# KiCad board DFTBoard.kicad_pcb (continued)
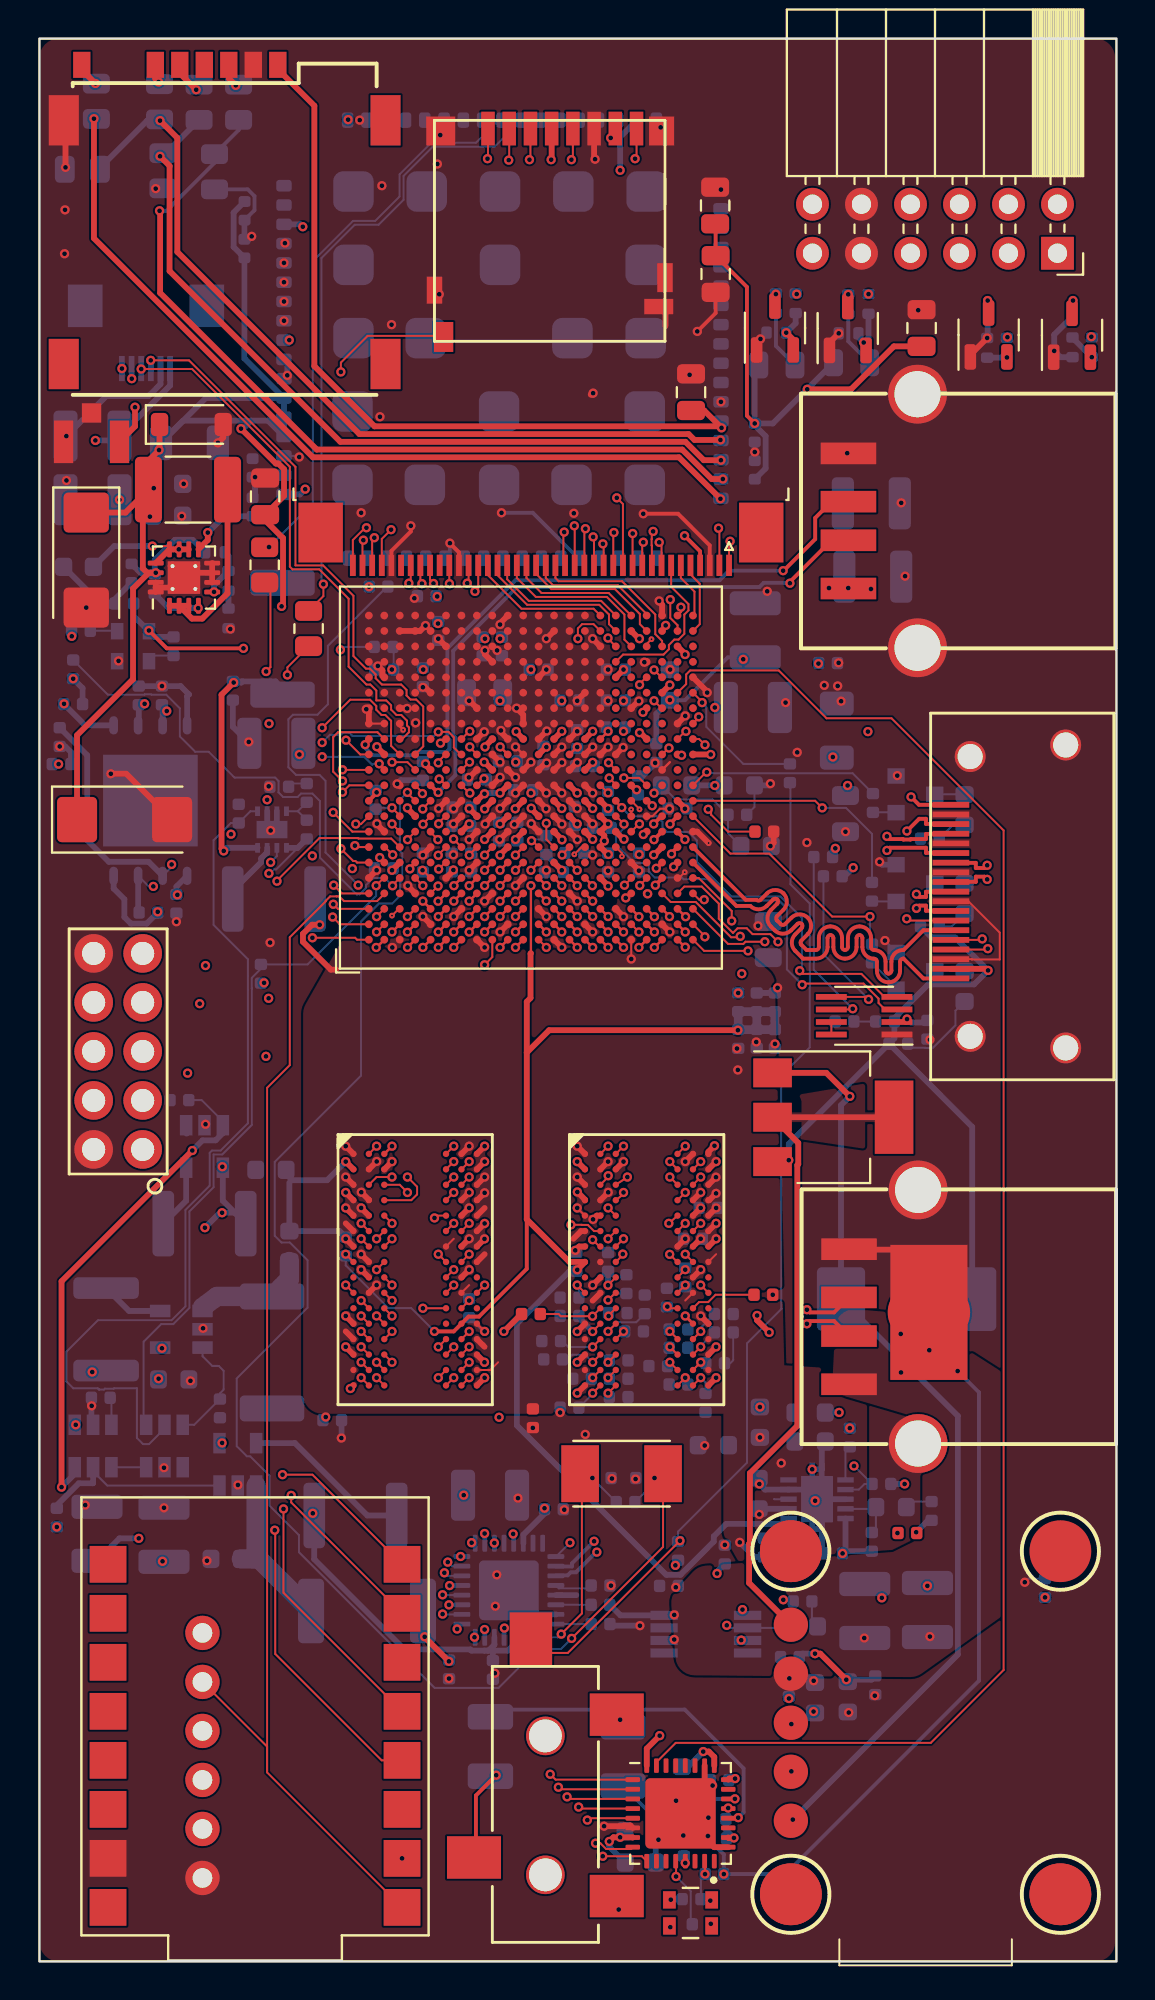
[diagram p0: board, top side]
## Library data of the parts (continued)
Q2 Q4 Q6 Q7 = -: Description: NPN transistor, emitter/base/collector
Q8-Q10 = -: MFR: Infineon Technologies AG; MPN: IRLML2502TRPBF; SPN: IRLML2502PBFCT-ND; SPR: Digikey
R1-R5 R23 R24 R28 R34 R81 R101 = -: Description: Resistor; MFR: Yageo; MPN: RC0402FR-07100KL; SPN: 311-100KLRTR-ND; SPR: Digikey
R6 R33 R36 = -: Description: Resistor; MFR: Yageo; MPN: RC0402FR-0710KL; SPN: 311-10.0KLRTR-ND; SPR: Digikey
R7 R46 R49 = -: Description: Resistor; MFR: Yageo; MPN: RC0402FR-07240RL; SPN: 311-240LRTR-ND; SPR: Digikey; SPURL: -
R8-R10 R12 R14 R27 R44 R74 R84 R105 R107 = -: Description: Resistor, small symbol; MFR: Yageo; MPN: RC0402JR-074K7L; SPN: 311-4.7KJRCT-ND; SPR: Digikey; SPURL: -
R16 R17 R31 R45 R87 = -: Description: Resistor; MFR: Yageo; MPN: RC0402FR-0749K9L; SPN: 311-49.9KLRCT-ND; SPR: Digikey
R18 R22 R30 R32 R42 R43 = -: Desc: Resistor SMD 0805; Link: http://www.dientuachau.com/res-1-0805
R25 R29 R91-R97 R106 = -: Description: Resistor, small symbol; MFR: Yageo; MPN: RT0402BRD0720KL; SPN: YAG1388CT-ND; SPR: Digikey; SPURL: -
R26 = -: Description: Resistor, small symbol; MFR: Yageo; MPN: RC0402JR-0747RL; SPN: 311-47JRTR-ND; SPR: Digikey; SPURL: -
R35 R78 R80 R86 R102 = -: Description: Resistor, small symbol; MFR: Yageo; MPN: RC0402FR-07150RL; SPN: 311-150LRTR-ND; SPR: Digikey
R37 = -: Description: Resistor, small symbol; MFR: Yageo; MPN: RC0402FR-071ML; SPN: 311-1.00MLRCT-ND; SPR: Digikey; SPURL: -
R38 = -: Description: Resistor; MFR: Yageo; MPN: RC0402FR-078K06L; SPN: 311-8.06KLRTR-ND; SPR: Digikey; SPURL: -
R47 R48 = -: Description: Resistor, small symbol; MFR: Yageo; MPN: RC0402FR-0710KL; SPN: 311-10.0KLRCT-ND; SPR: Digikey; SPURL: -
R50 R75 R76 = -: Description: Resistor; MFR: Yageo; MPN: RC0402FR-0780R6L; SPN: 311-80.6LRTR-ND; SPR: Digikey; SPURL: -
R51-R73 = -: Description: Resistor, small symbol; MFR: Yageo; MPN: RC0402FR-0740R2L; SPN: 311-40.2LRTR-ND; SPR: Digikey; SPURL: -
R77 R79 R85 = -: Description: Resistor, small symbol; MFR: Yageo; MPN: RC0402FR-071KL; SPN: 311-1.00KLRCT-ND; SPR: Digikey
R82 R83 R98 R103 R104 = -: Description: Resistor; MFR: Yageo; MPN: RC0402JR-074K7L; SPN: 311-4.7KJRCT-ND; SPR: Digikey
R88-R90 = -: Description: Resistor; MFR: Bourns Inc; MPN: CRA2512-FZ-R050ELF; SPN: CRA2512-FZ-R050ELFCT-ND; SPR: Digikey; SPURL: -
R99 = -: Description: Resistor, small symbol; MFR: Yageo; MPN: RC0402FR-0747KL; SPN: 311-47.0KLRTR-ND; SPR: Digikey; SPURL: -
R100 = -: Description: Resistor, small symbol; MFR: Yageo; MPN: RC0402FR-0724K9L; SPN: 311-24.9KLRTR-ND; SPR: Digikey; SPURL: -
S8KC-13 = -: Description: Diode
U1 U2 = -: Description: Simple Power Sequencer, SOT-23-6; MFR: Texas Instruments; MPN: LM3880MF-1AE/NOPB; SPN: LM3880MF-1AE/NOPBDKR-ND; SPR: Digikey; SPURL: -
U3 = -: MFR: Semtech Corporation; MPN: SC189ASKTRT; SPN: SC189ASKCT-ND; SPR: Digikey
U4 = -: MFR: Semtech Corporation; MPN: SC189ZSKTRT; SPN: SC189ZSKCT-ND; SPR: Digikey
U5 = -: Description: High-efficiency Step-down Converter; MFR: Texas Instruments; MPN: TLV62080DSGR; SPN: 296-39270-6-ND; SPR: Digikey; SPURL: -
U6 = -: Description: 3A Step-Down Converter with DCS-Control, Fixed 3.3V Output Voltage, 3-17V Input Voltage, QFN-16
U7 = -: MFR: Semtech Corporation; MPN: SC189LSKTRT; SPN: SC189LSKCT-ND; SPR: Digikey
U8 = -: Description: IC CONV DDR DDR2 DDR3 10SON; Category: Integrated Circuits (ICs); DK_Datasheet_Link: http://www.ti.com/lit/ds/symlink/tps51200.pdf; DK_Detail_Page: /product-detail/en/texas-instruments/TPS51200DRCR/296-26978-1-ND/2255274; Digi-Key_PN: 296-26978-1-ND; Family: PMIC - Voltage Regulators - Special Purpose; MFR: Texas Instruments; Manufacturer: Texas Instruments; SPN: 296-26978-1-ND; SPR: Digikey; SPURL: -; Status: Active
U9 = -: MFR: Texas Instruments; MPN: TLV320AIC3104IRHBR; SPN: 296-26818-1-ND; SPR: Digikey
U10 = -: MFR: Microchip Technology; MPN: USB3320C-EZK-TR; Manufacturer: Microchip; SPN: USB3320C-EZK-CT-NDs; SPR: Digikey; SPURL: -
U11 = -: MFR: Microchip; MPN: MIC2025-1YMM-TR; SPN: MIC2025-1YMM-CT-ND; SPR: Digikey; SPURL: -
U13 = -: Description: A7670 Series Hardware Design; Height: 2.7; Manufacturer_Name: Sim Com; Manufacturer_Part_Number: SIM COM A7670
U14 = -: Description: Super tiny ESP32-C3 board; Availability: Not in stock; Check_prices: https://www.snapeda.com/parts/ESP32-C3%20SuperMini/Espressif+Systems/view-part/?ref=eda; MANUFACTURER: Espressif; MAXIMUM_PACKAGE_HEIGHT: 4.2mm; MF: Espressif Systems; MP: ESP32-C3 SuperMini; Package: Package; Price: None; STANDARD: Manufacturer Recommendations; SnapEDA_Link: https://www.snapeda.com/parts/ESP32-C3%20SuperMini/Espressif+Systems/view-part/?ref=snap
U15 U16 = -: Field4: V80a .256mx16 Ddr3 Sdram Plastic Commercial Pbf Fbga 1.35v; Field5: Micron Technology; Field6: None; Field7: MT41K256M16HA-125:E; Field8: Unavailable; MFR: Micron; MPN: MT41K256M16TW-107; SPN: 557-2006-6-ND; SPR: Digikey; SPURL: -
U18 = -: MFR: Abracon LLC; MPN: ASDMB-24.000MHZ-LC-T; Manuf: Abracon; SPN: 535-11728-1-ND; SPR: Digikey; SPURL: -
U19 = -: MFR: Cypress; SPN: 1274-1005-ND; SPR: Digikey; SPURL: -
U20 = -: MFR: Xilinx; MPN: XC7Z020-1CLG484C; SPN: 122-1850-ND; SPR: Digikey; SPURL: -
U21 = -: Description: Dual bidirectional I2C Bus and SMBus voltage level translator; MFR: Texas Instruments; MPN: PCA9306DCTR; SPN: 296-18509-2-ND; SPR: Digikey; SPURL: -
Y1 = -: Description: Two pin crystal; MFR: Abracon LLC; MPN: ABM3-24.000MHZ-D2Y-T; SPN: 535-10643-2-ND; SPR: DigiKey; SPURL: -

## Footprints (pads in the part's own frame, mm; a bottom-side part is the same pattern mirrored in y, then rotated)
10029449-111RLF
  rect 0.3x1.9 smd: 1(4.75,5.95) 2(4.25,5.95) 3(3.75,5.95) 4(3.25,5.95) 5(2.75,5.95) 6(2.25,5.95) 7(1.75,5.95) 8(1.25,5.95) 9(0.75,5.95) 10(0.25,5.95) 11(-0.25,5.95) 12(-0.75,5.95) 13(-1.25,5.95) 14(-1.75,5.95) 15(-2.25,5.95) 16(-2.75,5.95) 17(-3.25,5.95) 18(-3.75,5.95) 19(-4.25,5.95)
  round 1.6 hole 1.3: SH(-7.85,0) SH(-7.25,4.95) SH(7.25,4.95) SH(7.85,0)
A7670C
  rrect 0.8x0.6 smd: 1(3.65,-4) 2(3.65,-5) 3(3.65,-6) 4(3.65,-7) 5(3.65,-8) 6(3.65,-9) 7(3.65,-10) 8(3.65,-11) 9(3.65,-12) 10(3.65,-13) 11(3.65,-14) 12(3.65,-15) 13(3.65,-16) 14(3.65,-17) 15(3.65,-18) 16(3.65,-19) 17(3.65,-20) 35(26.35,-20.05) 36(26.35,-19.05) 37(26.35,-18.05) 38(26.35,-17.05) 39(26.35,-16.05) 40(26.35,-15.05) 41(26.35,-14.05) 42(26.35,-13.05) 43(26.35,-12.05) 44(26.35,-11.05) 45(26.35,-10.05) 46(26.35,-9.05) 47(26.35,-8.05) 48(26.35,-7.05) 49(26.35,-6.05) 50(26.35,-5.05) 51(26.35,-4.05)
  rrect 0.6x0.8 smd: 18(7.25,-23.35) 19(8.25,-23.35) 20(9.25,-23.35) 21(10.25,-23.35) 22(11.25,-23.35) 23(12.25,-23.35) 24(13.25,-23.35) 25(14.25,-23.35) 26(15.25,-23.35) 27(16.25,-23.35) 28(17.25,-23.35) 29(18.25,-23.35) 30(19.25,-23.35) 31(20.25,-23.35) 32(21.25,-23.35) 33(22.25,-23.35) 34(23.25,-23.35) 52(23.05,-0.7) 53(22.05,-0.7) 54(21.05,-0.7) 55(20.05,-0.7) 56(19.05,-0.7) 57(18.05,-0.7) 58(17.05,-0.7) 59(16.05,-0.7) 60(15.05,-0.7) 61(14.05,-0.7) 62(13.05,-0.7) 63(12.05,-0.7) 64(11.05,-0.7) 65(10.05,-0.7) 66(9.05,-0.7) 67(8.05,-0.7) 68(7.05,-0.7)
  rrect 2.1x2.1 smd: GND(7.35,-19.5) GND(7.35,-15.7) GND(7.35,-11.9) GND(7.35,-8.1) GND(7.35,-4.3) GND(11.15,-19.45) GND(11.15,-11.9) GND(11.15,-4.3) GND(14.95,-19.45) GND(14.95,-15.65) GND(14.95,-8.05) GND(14.95,-4.3) GND(18.75,-19.4) GND(18.75,-11.85) GND(18.75,-4.25) GND(22.55,-19.4) GND(22.55,-15.6) GND(22.55,-11.85) GND(22.55,-8) GND(22.55,-4.25)
AMPHENOL-114-00841-68
  rect 0.7x1.75 smd: 1(3.2,-5.05) 2(2.1,-5.05) 3(1,-5.05) 4(-0.1,-5.05) 5(-1.2,-5.05) 6(-2.3,-5.05) 7(-3.4,-5.05) 8(-4.5,-5.05)
  rect 1.3x1.5 smd: 6(-5.8,-4.925)
  rect 1.5x1.5 smd: 6(5.65,-4.925)
  rect 0.8x1.4 smd: 6(5.975,3.325)
  rect 1x1.55 smd: 9(5.5,5.75)
  rect 1.5x0.8 smd: 10(-5.65,4.175)
  rect 0.8x1.5 smd: 11(-5.975,2.675)
BGA-484_19.0x19.0mm_Layout22x22_P0.80mm_dia0.40mm
  round 0.4 smd: A1(-8.4,8.4) A2(-7.6,8.4) A3(-6.8,8.4) A4(-6,8.4) A5(-5.2,8.4) A6(-4.4,8.4) A7(-3.6,8.4) A8(-2.8,8.4) A9(-2,8.4) A10(-1.2,8.4) A11(-0.4,8.4) A12(0.4,8.4) A13(1.2,8.4) A14(2,8.4) A15(2.8,8.4) A16(3.6,8.4) A17(4.4,8.4) A18(5.2,8.4) A19(6,8.4) A20(6.8,8.4) A21(7.6,8.4) A22(8.4,8.4) AA1(-8.4,-7.6) AA2(-7.6,-7.6) AA3(-6.8,-7.6) AA4(-6,-7.6) AA5(-5.2,-7.6) AA6(-4.4,-7.6) AA7(-3.6,-7.6) AA8(-2.8,-7.6) AA9(-2,-7.6) AA10(-1.2,-7.6) AA11(-0.4,-7.6) AA12(0.4,-7.6) AA13(1.2,-7.6) AA14(2,-7.6) AA15(2.8,-7.6) AA16(3.6,-7.6) AA17(4.4,-7.6) AA18(5.2,-7.6) AA19(6,-7.6) AA20(6.8,-7.6) AA21(7.6,-7.6) AA22(8.4,-7.6) AB1(-8.4,-8.4) AB2(-7.6,-8.4) AB3(-6.8,-8.4) AB4(-6,-8.4) AB5(-5.2,-8.4) AB6(-4.4,-8.4) AB7(-3.6,-8.4) AB8(-2.8,-8.4) AB9(-2,-8.4) AB10(-1.2,-8.4) AB11(-0.4,-8.4) AB12(0.4,-8.4) AB13(1.2,-8.4) AB14(2,-8.4) AB15(2.8,-8.4) AB16(3.6,-8.4) AB17(4.4,-8.4) AB18(5.2,-8.4) AB19(6,-8.4) AB20(6.8,-8.4) AB21(7.6,-8.4) AB22(8.4,-8.4) B1(-8.4,7.6) B2(-7.6,7.6) B3(-6.8,7.6) B4(-6,7.6) B5(-5.2,7.6) B6(-4.4,7.6) B7(-3.6,7.6) B8(-2.8,7.6) B9(-2,7.6) B10(-1.2,7.6) B11(-0.4,7.6) B12(0.4,7.6) B13(1.2,7.6) B14(2,7.6) B15(2.8,7.6) B16(3.6,7.6) B17(4.4,7.6) B18(5.2,7.6) B19(6,7.6) B20(6.8,7.6) B21(7.6,7.6) B22(8.4,7.6) C1(-8.4,6.8) C2(-7.6,6.8) C3(-6.8,6.8) C4(-6,6.8) C5(-5.2,6.8) C6(-4.4,6.8) C7(-3.6,6.8) C8(-2.8,6.8) C9(-2,6.8) C10(-1.2,6.8) C11(-0.4,6.8) C12(0.4,6.8) C13(1.2,6.8) C14(2,6.8) C15(2.8,6.8) C16(3.6,6.8) C17(4.4,6.8) C18(5.2,6.8) C19(6,6.8) C20(6.8,6.8) C21(7.6,6.8) C22(8.4,6.8) D1(-8.4,6) D2(-7.6,6) D3(-6.8,6) D4(-6,6) D5(-5.2,6) D6(-4.4,6) D7(-3.6,6) D8(-2.8,6) D9(-2,6) D10(-1.2,6) D11(-0.4,6) D12(0.4,6) D13(1.2,6) D14(2,6) D15(2.8,6) D16(3.6,6) D17(4.4,6) D18(5.2,6) D19(6,6) D20(6.8,6) D21(7.6,6) D22(8.4,6) E1(-8.4,5.2) E2(-7.6,5.2) E3(-6.8,5.2) E4(-6,5.2) E5(-5.2,5.2) E6(-4.4,5.2) E7(-3.6,5.2) E8(-2.8,5.2) E9(-2,5.2) E10(-1.2,5.2) E11(-0.4,5.2) E12(0.4,5.2) E13(1.2,5.2) E14(2,5.2) E15(2.8,5.2) E16(3.6,5.2) E17(4.4,5.2) E18(5.2,5.2) E19(6,5.2) E20(6.8,5.2) E21(7.6,5.2) E22(8.4,5.2) F1(-8.4,4.4) F2(-7.6,4.4) F3(-6.8,4.4) F4(-6,4.4) F5(-5.2,4.4) F6(-4.4,4.4) F7(-3.6,4.4) F8(-2.8,4.4) F9(-2,4.4) F10(-1.2,4.4) F11(-0.4,4.4) F12(0.4,4.4) F13(1.2,4.4) F14(2,4.4) F15(2.8,4.4) F16(3.6,4.4) F17(4.4,4.4) F18(5.2,4.4) F19(6,4.4) F20(6.8,4.4) F21(7.6,4.4) F22(8.4,4.4) G1(-8.4,3.6) G2(-7.6,3.6) G3(-6.8,3.6) G4(-6,3.6) G5(-5.2,3.6) G6(-4.4,3.6) G7(-3.6,3.6) G8(-2.8,3.6) G9(-2,3.6) G10(-1.2,3.6) G11(-0.4,3.6) G12(0.4,3.6) G13(1.2,3.6) G14(2,3.6) G15(2.8,3.6) G16(3.6,3.6) G17(4.4,3.6) G18(5.2,3.6) G19(6,3.6) G20(6.8,3.6) G21(7.6,3.6) G22(8.4,3.6) H1(-8.4,2.8) H2(-7.6,2.8) H3(-6.8,2.8) H4(-6,2.8) H5(-5.2,2.8) H6(-4.4,2.8) H7(-3.6,2.8) H8(-2.8,2.8) H9(-2,2.8) H10(-1.2,2.8) H11(-0.4,2.8) H12(0.4,2.8) H13(1.2,2.8) H14(2,2.8) H15(2.8,2.8) H16(3.6,2.8) H17(4.4,2.8) H18(5.2,2.8) H19(6,2.8) H20(6.8,2.8) H21(7.6,2.8) H22(8.4,2.8) J1(-8.4,2) J2(-7.6,2) J3(-6.8,2) J4(-6,2) J5(-5.2,2) J6(-4.4,2) J7(-3.6,2) J8(-2.8,2) J9(-2,2) J10(-1.2,2) J11(-0.4,2) J12(0.4,2) J13(1.2,2) J14(2,2) J15(2.8,2) J16(3.6,2) J17(4.4,2) J18(5.2,2) J19(6,2) J20(6.8,2) J21(7.6,2) J22(8.4,2) K1(-8.4,1.2) K2(-7.6,1.2) K3(-6.8,1.2) K4(-6,1.2) K5(-5.2,1.2) K6(-4.4,1.2) K7(-3.6,1.2) K8(-2.8,1.2) K9(-2,1.2) K10(-1.2,1.2) K11(-0.4,1.2) K12(0.4,1.2) K13(1.2,1.2) K14(2,1.2) K15(2.8,1.2) K16(3.6,1.2) K17(4.4,1.2) K18(5.2,1.2) K19(6,1.2) K20(6.8,1.2) K21(7.6,1.2) K22(8.4,1.2) L1(-8.4,0.4) L2(-7.6,0.4) L3(-6.8,0.4) L4(-6,0.4) L5(-5.2,0.4) L6(-4.4,0.4) L7(-3.6,0.4) L8(-2.8,0.4) L9(-2,0.4) L10(-1.2,0.4) L11(-0.4,0.4) L12(0.4,0.4) L13(1.2,0.4) L14(2,0.4) L15(2.8,0.4) L16(3.6,0.4) L17(4.4,0.4) L18(5.2,0.4) L19(6,0.4) L20(6.8,0.4) L21(7.6,0.4) L22(8.4,0.4) M1(-8.4,-0.4) M2(-7.6,-0.4) M3(-6.8,-0.4) M4(-6,-0.4) M5(-5.2,-0.4) M6(-4.4,-0.4) M7(-3.6,-0.4) M8(-2.8,-0.4) M9(-2,-0.4) M10(-1.2,-0.4) M11(-0.4,-0.4) M12(0.4,-0.4) M13(1.2,-0.4) M14(2,-0.4) M15(2.8,-0.4) M16(3.6,-0.4) M17(4.4,-0.4) M18(5.2,-0.4) M19(6,-0.4) M20(6.8,-0.4) M21(7.6,-0.4) M22(8.4,-0.4) N1(-8.4,-1.2) N2(-7.6,-1.2) N3(-6.8,-1.2) N4(-6,-1.2) N5(-5.2,-1.2) N6(-4.4,-1.2) N7(-3.6,-1.2) N8(-2.8,-1.2) N9(-2,-1.2) N10(-1.2,-1.2) N11(-0.4,-1.2) N12(0.4,-1.2) N13(1.2,-1.2) N14(2,-1.2) N15(2.8,-1.2) N16(3.6,-1.2) N17(4.4,-1.2) N18(5.2,-1.2) N19(6,-1.2) N20(6.8,-1.2) N21(7.6,-1.2) N22(8.4,-1.2) P1(-8.4,-2) P2(-7.6,-2) P3(-6.8,-2) P4(-6,-2) P5(-5.2,-2) P6(-4.4,-2) P7(-3.6,-2) P8(-2.8,-2) P9(-2,-2) P10(-1.2,-2) P11(-0.4,-2) P12(0.4,-2) P13(1.2,-2) P14(2,-2) P15(2.8,-2) P16(3.6,-2) P17(4.4,-2) P18(5.2,-2) P19(6,-2) P20(6.8,-2) P21(7.6,-2) P22(8.4,-2) R1(-8.4,-2.8) R2(-7.6,-2.8) R3(-6.8,-2.8) R4(-6,-2.8) R5(-5.2,-2.8) R6(-4.4,-2.8) R7(-3.6,-2.8) R8(-2.8,-2.8) R9(-2,-2.8) R10(-1.2,-2.8) R11(-0.4,-2.8) R12(0.4,-2.8) R13(1.2,-2.8) R14(2,-2.8) R15(2.8,-2.8) R16(3.6,-2.8) R17(4.4,-2.8) R18(5.2,-2.8) R19(6,-2.8) R20(6.8,-2.8) R21(7.6,-2.8) R22(8.4,-2.8) T1(-8.4,-3.6) T2(-7.6,-3.6) T3(-6.8,-3.6) T4(-6,-3.6) T5(-5.2,-3.6) T6(-4.4,-3.6) T7(-3.6,-3.6) T8(-2.8,-3.6) T9(-2,-3.6) T10(-1.2,-3.6) T11(-0.4,-3.6) T12(0.4,-3.6) T13(1.2,-3.6) T14(2,-3.6) T15(2.8,-3.6) T16(3.6,-3.6) T17(4.4,-3.6) T18(5.2,-3.6) T19(6,-3.6) T20(6.8,-3.6) T21(7.6,-3.6) T22(8.4,-3.6) U1(-8.4,-4.4) U2(-7.6,-4.4) U3(-6.8,-4.4) U4(-6,-4.4) U5(-5.2,-4.4) U6(-4.4,-4.4) U7(-3.6,-4.4) U8(-2.8,-4.4) U9(-2,-4.4) U10(-1.2,-4.4) U11(-0.4,-4.4) U12(0.4,-4.4) U13(1.2,-4.4) U14(2,-4.4) U15(2.8,-4.4) U16(3.6,-4.4) U17(4.4,-4.4) U18(5.2,-4.4) U19(6,-4.4) U20(6.8,-4.4) U21(7.6,-4.4) U22(8.4,-4.4) V1(-8.4,-5.2) V2(-7.6,-5.2) V3(-6.8,-5.2) V4(-6,-5.2) V5(-5.2,-5.2) V6(-4.4,-5.2) V7(-3.6,-5.2) V8(-2.8,-5.2) V9(-2,-5.2) V10(-1.2,-5.2) V11(-0.4,-5.2) V12(0.4,-5.2) V13(1.2,-5.2) V14(2,-5.2) V15(2.8,-5.2) V16(3.6,-5.2) V17(4.4,-5.2) V18(5.2,-5.2) V19(6,-5.2) V20(6.8,-5.2) V21(7.6,-5.2) V22(8.4,-5.2) W1(-8.4,-6) W2(-7.6,-6) W3(-6.8,-6) W4(-6,-6) W5(-5.2,-6) W6(-4.4,-6) W7(-3.6,-6) W8(-2.8,-6) W9(-2,-6) W10(-1.2,-6) W11(-0.4,-6) W12(0.4,-6) W13(1.2,-6) W14(2,-6) W15(2.8,-6) W16(3.6,-6) W17(4.4,-6) W18(5.2,-6) W19(6,-6) W20(6.8,-6) W21(7.6,-6) W22(8.4,-6) Y1(-8.4,-6.8) Y2(-7.6,-6.8) Y3(-6.8,-6.8) Y4(-6,-6.8) Y5(-5.2,-6.8) Y6(-4.4,-6.8) Y7(-3.6,-6.8) Y8(-2.8,-6.8) Y9(-2,-6.8) Y10(-1.2,-6.8) Y11(-0.4,-6.8) Y12(0.4,-6.8) Y13(1.2,-6.8) Y14(2,-6.8) Y15(2.8,-6.8) Y16(3.6,-6.8) Y17(4.4,-6.8) Y18(5.2,-6.8) Y19(6,-6.8) Y20(6.8,-6.8) Y21(7.6,-6.8) Y22(8.4,-6.8)
C_0402_1005Metric
  rrect 0.59x0.64 smd: 1(-0.485,0) 2(0.485,0)
C_0603_1608Metric
  rrect 0.875x0.95 smd: 1(-0.787,0) 2(0.787,0)
C_0805_2012Metric
  rrect 1x1.45 smd: 1(-0.95,0) 2(0.95,0)
C_0805_2012Metric#2
  rrect 0.975x1.4 smd: 1(-0.938,0) 2(0.938,0)
C_1206_3216Metric
  rrect 1.25x1.75 smd: 1(-1.4,0) 2(1.4,0)
C_1206_3216Metric#2
  rrect 1.15x1.8 smd: 1(-1.475,0) 2(1.475,0)
C_1210_3225Metric
  rrect 1.25x2.65 smd: 1(-1.4,0) 2(1.4,0)
C_1210_3225Metric#2
  rrect 1.15x2.7 smd: 1(-1.475,0) 2(1.475,0)
C_1812_4532Metric
  rrect 1.4x3.4 smd: 1(-2.05,0) 2(2.05,0)
C_1812_4532Metric#2
  rrect 1.125x3.4 smd: 1(-2.138,0) 2(2.138,0)
CP_EIA-3528-12_Kemet-T
  rrect 1.325x2.35 smd: 1(-1.538,0) 2(1.538,0)
CP_EIA-6032-15_Kemet-U
  rrect 2.075x2.35 smd: 1(-2.462,0) 2(2.462,0)
Cypress-002-18827-0-0-0
  rrect 0.95x0.45 smd: 1(-3.9,1.905) 2(-3.9,0.635) 3(-3.9,-0.635) 4(-3.9,-1.905) 5(3.9,-1.905) 6(3.9,-0.635) 7(3.9,0.635) 8(3.9,1.905)
  rect 4.75x4.9 smd: 9(0,0)
D_SMC
  rrect 2.5x3.3 smd: 1(-3.4,0) 2(3.4,0)
D_SOD-123
  rrect 0.9x1.2 smd: 1(-1.65,0) 2(1.65,0)
D_SOD-923
  rrect 0.36x0.25 smd: 1(-0.42,0) 2(0.42,0)
FBGA-96-DDR3-SDRAM
  round 0.33 smd: A1(-3.2,6) A2(-2.4,6) A3(-1.6,6) A7(1.6,6) A8(2.4,6) A9(3.2,6) B1(-3.2,5.2) B2(-2.4,5.2) B3(-1.6,5.2) B7(1.6,5.2) B8(2.4,5.2) B9(3.2,5.2) C1(-3.2,4.4) C2(-2.4,4.4) C3(-1.6,4.4) C7(1.6,4.4) C8(2.4,4.4) C9(3.2,4.4) D1(-3.2,3.6) D2(-2.4,3.6) D3(-1.6,3.6) D7(1.6,3.6) D8(2.4,3.6) D9(3.2,3.6) E1(-3.2,2.8) E2(-2.4,2.8) E3(-1.6,2.8) E7(1.6,2.8) E8(2.4,2.8) E9(3.2,2.8) F1(-3.2,2) F2(-2.4,2) F3(-1.6,2) F7(1.6,2) F8(2.4,2) F9(3.2,2) G1(-3.2,1.2) G2(-2.4,1.2) G3(-1.6,1.2) G7(1.6,1.2) G8(2.4,1.2) G9(3.2,1.2) H1(-3.2,0.4) H2(-2.4,0.4) H3(-1.6,0.4) H7(1.6,0.4) H8(2.4,0.4) H9(3.2,0.4) J1(-3.2,-0.4) J2(-2.4,-0.4) J3(-1.6,-0.4) J7(1.6,-0.4) J8(2.4,-0.4) J9(3.2,-0.4) K1(-3.2,-1.2) K2(-2.4,-1.2) K3(-1.6,-1.2) K7(1.6,-1.2) K8(2.4,-1.2) K9(3.2,-1.2) L1(-3.2,-2) L2(-2.4,-2) L3(-1.6,-2) L7(1.6,-2) L8(2.4,-2) L9(3.2,-2) M1(-3.2,-2.8) M2(-2.4,-2.8) M3(-1.6,-2.8) M7(1.6,-2.8) M8(2.4,-2.8) M9(3.2,-2.8) N1(-3.2,-3.6) N2(-2.4,-3.6) N3(-1.6,-3.6) N7(1.6,-3.6) N8(2.4,-3.6) N9(3.2,-3.6) P1(-3.2,-4.4) P2(-2.4,-4.4) P3(-1.6,-4.4) P7(1.6,-4.4) P8(2.4,-4.4) P9(3.2,-4.4) R1(-3.2,-5.2) R2(-2.4,-5.2) R3(-1.6,-5.2) R7(1.6,-5.2) R8(2.4,-5.2) R9(3.2,-5.2) T1(-3.2,-6) T2(-2.4,-6) T3(-1.6,-6) T7(1.6,-6) T8(2.4,-6) T9(3.2,-6)
FTDI_CONN
  round 1.778 hole 1.016: 1(0,-6.35) 2(0,-3.81) 3(0,-1.27) 4(0,1.27) 5(0,3.81) 6(0,6.35)
GCT_SIM7100-6-1-15-00-A_REVC
  rect 1.56x2.61 smd: 1(-8.34,5.34) 2(-8.34,-7.29) 3(8.34,-7.29) 4(8.34,5.34)
  rect 0.9x1.35 smd: C1(2.755,8.215) C2(0.215,8.215) C3(-2.325,8.215) C5(1.485,8.215) C6(-1.055,8.215) C7(-3.595,8.215) CD(-7.405,8.215)
gndtie
  rect 3x4 smd: 1(-2,0) 2(2,0)
Hirose_FH12-6S-0.5SH_1x06-1MP_P0.50mm_Horizontal
  rect 0.3x1.3 smd: 1(-1.25,1.85) 2(-0.75,1.85) 3(-0.25,1.85) 4(0.25,1.85) 5(0.75,1.85) 6(1.25,1.85)
  rect 1.8x2.2 smd: MP(-3.15,-1.4) MP(3.15,-1.4)
IPEX
  rect 1x2.2 smd: 1(-1.5,-3.6) 2(1.4,-3.6)
  rect 1x1 smd: 3(-0.05,-5.1)
LED_0805_2012Metric
  rrect 0.975x1.4 smd: 1(-0.938,0) 2(0.938,0)
MIC_SPW2430HR5H-B
  rect 0.9x0.66 smd: 1(-0.675,1.095) 2(-0.675,-1.095) 3(0.675,-1.095) 4(0.675,1.095)
Micro Lipo
  round 1.778 smd: 1(-5.63,3.8) 2(-3.09,3.8) 3(-0.55,3.8) 4(1.99,3.8) 5(4.53,3.8)
  round 3.2 smd: P$1(-9.44,3.8) P$1(-9.44,3.8) P$1(-9.44,-10.17) P$1(-9.44,-10.17) P$1(8.34,3.8) P$1(8.34,3.8) P$1(8.34,-10.17)
MODULE_ESP32-C3_SUPERMINI
  rect 1.905x1.905 smd: 0(7.62,-7.88) 1(7.62,-5.34) 2(7.62,-2.8) 3(7.62,-0.26) 3.3(7.62,4.82) 4(7.62,2.28) 5(-7.62,9.9) 5V(7.62,9.9) 6(-7.62,7.36) 7(-7.62,4.82) 8(-7.62,2.28) 9(-7.62,-0.26) 10(-7.62,-2.8) 20(-7.62,-5.34) 21(-7.62,-7.88) G(7.62,7.36)
PinSocket_2x06_P2.54mm_Horizontal
  rect 1.7x1.7 hole 1: 1(0,0)
  oval 1.7x1.7 hole 1: 2(-2.54,0) 3(0,-2.54) 4(-2.54,-2.54) 5(0,-5.08) 6(-2.54,-5.08) 7(0,-7.62) 8(-2.54,-7.62) 9(0,-10.16) 10(-2.54,-10.16) 11(0,-12.7) 12(-2.54,-12.7)
QFN-32-1EP_5x5mm_P0.5mm_EP3.1x3.1mm
  rrect 0.83x0.83 smd: (-1.03,-1.03) (-1.03,0) (-1.03,1.03) (0,-1.03) (0,0) (0,1.03) (1.03,-1.03) (1.03,0) (1.03,1.03)
  rrect 0.875x0.25 smd: 1(-2.438,1.75) 2(-2.438,1.25) 3(-2.438,0.75) 4(-2.438,0.25) 5(-2.438,-0.25) 6(-2.438,-0.75) 7(-2.438,-1.25) 8(-2.438,-1.75) 17(2.438,-1.75) 18(2.438,-1.25) 19(2.438,-0.75) 20(2.438,-0.25) 21(2.438,0.25) 22(2.438,0.75) 23(2.438,1.25) 24(2.438,1.75)
  rrect 0.25x0.875 smd: 9(-1.75,-2.438) 10(-1.25,-2.438) 11(-0.75,-2.438) 12(-0.25,-2.438) 13(0.25,-2.438) 14(0.75,-2.438) 15(1.25,-2.438) 16(1.75,-2.438) 25(1.75,2.438) 26(1.25,2.438) 27(0.75,2.438) 28(0.25,2.438) 29(-0.25,2.438) 30(-0.75,2.438) 31(-1.25,2.438) 32(-1.75,2.438)
  rrect 3.1x3.1 smd: 33(0,0)
QFN-32-1EP_5x5mm_P0.5mm_EP3.65x3.65mm
  rrect 0.98x0.98 smd: (-1.22,1.22) (-1.22,0) (-1.22,-1.22) (0,1.22) (0,0) (0,-1.22) (1.22,1.22) (1.22,0) (1.22,-1.22)
  rrect 0.75x0.25 smd: 1(-2.475,1.75) 2(-2.475,1.25) 3(-2.475,0.75) 4(-2.475,0.25) 5(-2.475,-0.25) 6(-2.475,-0.75) 7(-2.475,-1.25) 8(-2.475,-1.75) 17(2.475,-1.75) 18(2.475,-1.25) 19(2.475,-0.75) 20(2.475,-0.25) 21(2.475,0.25) 22(2.475,0.75) 23(2.475,1.25) 24(2.475,1.75)
  rrect 0.25x0.75 smd: 9(-1.75,-2.475) 10(-1.25,-2.475) 11(-0.75,-2.475) 12(-0.25,-2.475) 13(0.25,-2.475) 14(0.75,-2.475) 15(1.25,-2.475) 16(1.75,-2.475) 25(1.75,2.475) 26(1.25,2.475) 27(0.75,2.475) 28(0.25,2.475) 29(-0.25,2.475) 30(-0.75,2.475) 31(-1.25,2.475) 32(-1.75,2.475)
  rrect 3.65x3.65 smd: 33(0,0)
R_0402_1005Metric
  rrect 0.59x0.64 smd: 1(-0.485,0) 2(0.485,0)
R_0402_1005Metric#2
  rrect 0.54x0.64 smd: 1(-0.51,0) 2(0.51,0)
R_0805_2012Metric
  rrect 1.025x1.4 smd: 1(-0.912,0) 2(0.912,0)
R_2512_6332Metric
  rrect 1.35x3.35 smd: 1(-2.9,0) 2(2.9,0)
SJ-352X-SMT
  rect 2.2x2.8 smd: 1(0,-3.7) 2(9.4,-3.7) 3(2,3.7)
  rect 2.8x2.2 smd: 4(13.3,0.75)
  round 2 hole 1.7: ~(1.1,0) ~(8.3,0)
SOP65P490X110-8N
  rect 1.42x0.47 smd: 1(-2.165,0.975) 2(-2.165,0.325) 3(-2.165,-0.325) 4(-2.165,-0.975) 5(2.165,-0.975) 6(2.165,-0.325) 7(2.165,0.325) 8(2.165,0.975)
SOT-23
  rect 0.9x0.8 smd: 1(-1,0.95) 2(-1,-0.95) 3(1,0)
SOT-23-3
  rrect 1.325x0.6 smd: 1(-1.137,0.95) 2(-1.137,-0.95) 3(1.137,0)
SOT-23-5
  rect 1.06x0.65 smd: 1(-1.1,0.95) 2(-1.1,0) 3(-1.1,-0.95) 4(1.1,-0.95) 5(1.1,0.95)
SOT-23-6
  rect 1.06x0.65 smd: 1(-1.1,0.95) 2(-1.1,0) 3(-1.1,-0.95) 4(1.1,-0.95) 5(1.1,0) 6(1.1,0.95)
SOT-223-3_TabPin2
  rect 2x1.5 smd: 1(-3.15,2.3) 2(-3.15,0) 3(-3.15,-2.3)
  rect 2x3.8 smd: 2(3.15,0)
SSOP-8_2.95x2.8mm_P0.65mm
  rect 1.6x0.3 smd: 1(-1.7,0.975) 2(-1.7,0.325) 3(-1.7,-0.325) 4(-1.7,-0.975) 5(1.7,-0.975) 6(1.7,-0.325) 7(1.7,0.325) 8(1.7,0.975)
TE_4-1734839-0_1x40-1MP_P0.5mm_Horizontal
  rect 0.3x1.1 smd: 1(-9.75,1.35) 2(-9.25,1.35) 3(-8.75,1.35) 4(-8.25,1.35) 5(-7.75,1.35) 6(-7.25,1.35) 7(-6.75,1.35) 8(-6.25,1.35) 9(-5.75,1.35) 10(-5.25,1.35) 11(-4.75,1.35) 12(-4.25,1.35) 13(-3.75,1.35) 14(-3.25,1.35) 15(-2.75,1.35) 16(-2.25,1.35) 17(-1.75,1.35) 18(-1.25,1.35) 19(-0.75,1.35) 20(-0.25,1.35) 21(0.25,1.35) 22(0.75,1.35) 23(1.25,1.35) 24(1.75,1.35) 25(2.25,1.35) 26(2.75,1.35) 27(3.25,1.35) 28(3.75,1.35) 29(4.25,1.35) 30(4.75,1.35) 31(5.25,1.35) 32(5.75,1.35) 33(6.25,1.35) 34(6.75,1.35) 35(7.25,1.35) 36(7.75,1.35) 37(8.25,1.35) 38(8.75,1.35) 39(9.25,1.35) 40(9.75,1.35)
  rect 2.3x3.1 smd: MP(-11.42,-0.35) MP(11.42,-0.35)
USB-A-Receptacle-FCI_87583
  rect 1.12x2.88 smd: 1(-3.5,1.44) 2(-1.001,1.44) 3(1.001,1.44) 4(3.5,1.44)
  round 3.048 hole 2.388: 5(-6.571,-2.141) 5(6.571,-2.141)
VQFN-16-1EP_3x3mm_P0.5mm_EP1.68x1.68mm_ThermalVias
  rrect 0.73x0.73 smd: (-0.42,0.42) (-0.42,-0.42) (0.42,0.42) (0.42,-0.42)
  rrect 0.825x0.25 smd: 1(-1.462,0.75) 2(-1.462,0.25) 3(-1.462,-0.25) 4(-1.462,-0.75) 9(1.462,-0.75) 10(1.462,-0.25) 11(1.462,0.25) 12(1.462,0.75)
  rrect 0.25x0.825 smd: 5(-0.75,-1.462) 6(-0.25,-1.462) 7(0.25,-1.462) 8(0.75,-1.462) 13(0.75,1.462) 14(0.25,1.462) 15(-0.25,1.462) 16(-0.75,1.462)
  round 0.5 hole 0.2: 17(-0.59,0.59) 17(-0.59,-0.59) 17(0.59,0.59) 17(0.59,-0.59)
  rect 1.68x1.68 smd: 17(0,0)
  rect 1.68x1.68 smd far side: 17(0,0)
VSON-10-1EP_3x3mm_P0.5mm_EP1.65x2.4mm_ThermalVias
  rect 0.64x0.64 smd: (-0.48,-0.86) (-0.48,0) (-0.48,0.86) (0.48,-0.86) (0.48,0) (0.48,0.86)
  rect 0.85x0.28 smd: 1(-1.475,1) 2(-1.475,0.5) 3(-1.475,0) 4(-1.475,-0.5) 5(-1.475,-1) 6(1.475,-1) 7(1.475,-0.5) 8(1.475,0) 9(1.475,0.5) 10(1.475,1)
  rect 0.28x0.7 smd: 11(-0.25,-1.55) 11(-0.25,1.55) 11(0.25,-1.55) 11(0.25,1.55)
  rect 1.65x2.4 smd: 11(0,0)
WSON-8-1EP_2x2mm_P0.5mm_EP0.9x1.6mm
  rect 0.75x0.65 smd: (0,-0.4) (0,0.4)
  rect 0.5x0.25 smd: 1(-0.95,0.75) 2(-0.95,0.25) 3(-0.95,-0.25) 4(-0.95,-0.75) 5(0.95,-0.75) 6(0.95,-0.25) 7(0.95,0.25) 8(0.95,0.75)
  rect 0.9x1.6 smd: 9(0,0)
XilinxJTAG
  round 2 hole 1.2: 1(1.27,-5.08) 2(-1.27,-5.08) 3(1.27,-2.54) 4(-1.27,-2.54) 5(1.27,0) 6(-1.27,0) 7(1.27,2.54) 8(-1.27,2.54) 9(1.27,5.08) 10(-1.27,5.08)
XTAL500X320X130N
  rect 1.95x2.95 smd: 1(-2.15,0) 2(2.15,0)
XTAL_ASDMB-24.000MHZ-LC-T
  rect 0.85x0.65 smd: 1(-0.775,0.825) 2(-0.775,-0.825) 3(0.775,-0.825) 4(0.775,0.825)

## Nets
1v0en: R1.2 U1.6 U3.3
1v8en: R2.2 U1.5 U7.3
1v35en: R4.2 U2.5 U5.1
1v35PG: U5.6 U20.V4
3v3en: R3.2 U2.6 U4.3
+1V0: C8.1 C9.1 C11.1 C12.1 C23.1 C24.1 C25.1 C27.1 C28.1 C29.1 C30.1 C31.1 L3.2 U3.4 U20.G8 U20.H9 U20.H11 U20.J8 U20.J10 U20.J12 U20.J14 U20.K13 U20.L8 U20.L14 U20.M13 U20.N8 U20.N14 U20.P13 U20.R8 U20.R14
+1V8: C4.1 C5.1 C6.1 C14.1 C15.1 C17.1 C18.1 C19.1 C20.1 C22.1 C26.1 C32.1 C51.1 C53.1 C78.1 CON1.4 FB1.2 L4.2 R9.2 R10.2 R28.2 U7.4 U9.32 U10.28 U10.30 U20.H10 U20.K9 U20.K11 U20.M9 U20.P9 U20.R12 U20.T7 U20.T8 U20.T9 U20.T10
+1V35: C7.1 C94.1 C96.1 C99.1 C100.1 C101.1 C102.1 C103.1 C104.1 C109.1 C110.1 C125.1 C126.1 L1.2 R6.2 R47.1 R75.2 U5.5 U8.2 U15.A1 U15.A8 U15.B2 U15.C1 U15.C9 U15.D2 U15.D9 U15.E9 U15.F1 U15.G7 U15.H2 U15.H9 U15.K2 U15.K8 U15.N1 U15.N9 U15.R1 U15.R9 U16.A1 U16.A8 U16.B2 U16.C1 U16.C9 U16.D2 U16.D9 U16.E9 U16.F1 U16.G7 U16.H2 U16.H9 U16.K2 U16.K8 U16.N1 U16.N9 U16.R1 U16.R9 U20.E2 U20.F5 U20.H1 U20.J4 U20.K7 U20.M3 U20.N6 U20.R2 U20.V1
+3V3: C10.1 C39.2 C41.2 C46.1 C47.1 C50.1 C52.2 C54.2 C55.1 C56.2 C57.1 C58.2 C59.1 C60.1 C61.1 C62.1 C65.1 C66.1 C67.1 C68.1 C70.1 C71.1 C113.1 C114.1 C115.1 C116.1 C117.1 C118.1 C119.1 C120.1 C121.1 C122.1 C123.1 C127.2 J3.4 J4.6 J8.4 L2.2 R5.1 R25.1 R33.2 R35.2 R82.1 R83.1 R95.2 R98.2 R99.1 R101.1 R102.2 R103.1 R104.1 R106.2 U4.4 U8.10 U9.7 U9.18 U9.24 U9.25 U10.8 U10.11 U10.14 U10.32 U17.3 U18.4 U19.8 U20.A10 U20.AA10 U20.AA20 U20.AB3 U20.AB13 U20.B3 U20.B13 U20.C6 U20.D9 U20.E12 U20.T5 U20.U8 U20.U18 U20.V11 U20.V21 U20.W4 U20.W14 U20.Y7 U20.Y17 U21.2
+3V8: C40.1 C44.1 C63.1 C64.1 C88.1 C89.1 C90.1 C91.1 C92.1 C107.1 C111.1 C112.1 C124.1 C132.1 D2.1 D10.1 D11.1 L5.2 R23.2 R24.2 U6.14 U13.55 U13.56 U13.57
+5V: C2.1 C21.1 C36.1 C72.1 C77.1 C136.2 C137.2 J2.1 J9.18 Q1.3 R1.1 R2.1 R3.1 R4.1 R78.1 R80.2 R81.2 R86.2 R88.1 R89.1 R90.1 S8KC-13.1 U1.1 U2.1 U3.1 U6.10 U6.11 U6.12 U6.13 U10.21 U11.7
/Power/1V0TOLX: L3.1 U3.5
/Power/1V8_CS: C13.1 R90.2 U7.1
/Power/1V8TOLX: L4.1 U7.5
/Power/1V35_CS: C108.1 R89.2 U5.8
/Power/3V3_CS: C3.1 R88.2 U4.1
/Power/3V3TOLX: L2.1 U4.5
/Power/VCCAUX: C33.1 C34.1 FB1.1 U20.L10 U20.N10 U20.P11 U20.R10
GND: AE1.2 AE1.3 C1.2 C2.2 C3.2 C4.2 C5.2 C6.2 C7.2 C8.2 C9.2 C10.2 C11.2 C12.2 C13.2 C14.2 C15.2 C16.2 C17.2 C18.2 C19.2 C20.2 C21.2 C22.2 C23.2 C24.2 C25.2 C26.2 C27.2 C28.2 C29.2 C30.2 C31.2 C32.2 C33.2 C34.2 C36.2 C37.1 C39.1 C40.2 C41.1 C44.2 C46.2 C47.2 C50.2 C51.2 C53.2 C55.2 C57.2 C59.2 C61.2 C63.2 C64.2 C65.2 C66.2 C67.2 C68.2 C69.1 C70.2 C71.2 C72.2 C73.1 C74.1 C75.1 C76.1 C77.2 C78.2 C88.2 C89.2 C90.2 C91.2 C92.2 C93.2 C95.2 C97.2 C98.2 C99.2 C100.2 C101.2 C102.2 C103.2 C104.2 C105.2 C106.2 C107.2 C108.2 C109.2 C110.2 C111.2 C112.2 C113.2 C114.2 C115.2 C116.2 C117.2 C118.2 C119.2 C120.2 C121.2 C122.2 C123.2 C124.2 C125.2 C126.2 C127.1 C128.2 C129.2 C130.2 C131.2 C132.2 C133.2 C134.2 C135.2 C136.1 C137.1 CON1.2 CON1.10 D2.2 D8.1 D9.1 GT1.1 J1.1 J1.C5 J2.4 J2.5 J3.3 J3.29 J3.36 J4.5 J6.4 J6.5 J8.6 J8.10 J8.11 J9.2 J9.5 J9.8 J9.11 J9.17 J9.SH PMOD1.9 PMOD1.10 Q2.1 Q4.1 Q6.1 Q7.1 Q8.2 Q9.2 Q10.2 R8.2 R16.2 R17.2 R29.2 R38.2 R45.2 R46.2 R48.2 R49.2 R74.2 R76.2 R87.2 R91.2 R92.2 R93.2 R94.2 R96.2 R97.2 U1.2 U2.2 U3.2 U4.2 U5.2 U5.3 U5.9 U6.6 U6.7 U6.8 U6.15 U6.16 U6.17 U7.2 U8.4 U8.8 U8.11 U9.6 U10.23 U10.33 U11.3 U12.4 U13.2 U13.17 U13.18 U13.29 U13.39 U13.45 U13.46 U13.54 U13.58 U13.59 U13.61 U13.62 U13.63 U13.64 U13.65 U14.G U15.A9 U15.B1 U15.B3 U15.B9 U15.D1 U15.D8 U15.E1 U15.E2 U15.E8 U15.F9 U15.G1 U15.G8 U15.G9 U15.J2 U15.J8 U15.M1 U15.M9 U15.P1 U15.P9 U15.T1 U15.T9 U16.A9 U16.B1 U16.B3 U16.B9 U16.D1 U16.D8 U16.E1 U16.E2 U16.E8 U16.F9 U16.G1 U16.G8 U16.G9 U16.J2 U16.J8 U16.M1 U16.M9 U16.P1 U16.P9 U16.T1 U16.T9 U17.1 U18.2 U19.4 U19.9 U20.A5 U20.A15 U20.A16 U20.A17 U20.A18 U20.A19 U20.A20 U20.A21 U20.A22 U20.AA5 U20.AA15 U20.AB8 U20.AB18 U20.B8 U20.B15 U20.B16 U20.B17 U20.B18 U20.B19 U20.B20 U20.B21 U20.B22 U20.C1 U20.C11 U20.C15 U20.C16 U20.C17 U20.C18 U20.C19 U20.C20 U20.C21 U20.C22 U20.D4 U20.D14 U20.D15 U20.D16 U20.D17 U20.D18 U20.D19 U20.D20 U20.D21 U20.D22 U20.E7 U20.E15 U20.E16 U20.E17 U20.E18 U20.E19 U20.E20 U20.E21 U20.E22 U20.F10 U20.F15 U20.F16 U20.F17 U20.F18 U20.F19 U20.F20 U20.F21 U20.F22 U20.G3 U20.G9 U20.G10 U20.G15 U20.G16 U20.G17 U20.G18 U20.G19 U20.G20 U20.G21 U20.G22 U20.H6 U20.H8 U20.H12 U20.H14 U20.H15 U20.H16 U20.H17 U20.H18 U20.H19 U20.H20 U20.H21 U20.H22 U20.J9 U20.J11 U20.J13 U20.J15 U20.J16 U20.J17 U20.J18 U20.J19 U20.J20 U20.J21 U20.J22 U20.K2 U20.K8 U20.K10 U20.K12 U20.K14 U20.K15 U20.K16 U20.K17 U20.K18 U20.K19 U20.K20 U20.K21 U20.K22 U20.L5 U20.L9 U20.L11 U20.L12 U20.L13 U20.L15 U20.L16 U20.L17 U20.L18 U20.L19 U20.L20 U20.L21 U20.L22 U20.M8 U20.M10 U20.M11 U20.M12 U20.M14 U20.M15 U20.M16 U20.M17 U20.M18 U20.M19 U20.M20 U20.M21 U20.M22 U20.N1 U20.N9 U20.N11 U20.N12 U20.N13 U20.N15 U20.N16 U20.N17 U20.N18 U20.N19 U20.N20 U20.N21 U20.N22 U20.P4 U20.P8 U20.P10 U20.P12 U20.P14 U20.P15 U20.P16 U20.P17 U20.P18 U20.P19 U20.P20 U20.P21 U20.P22 U20.R9 U20.R11 U20.R13 U20.R15 U20.R16 U20.R17 U20.R18 U20.R19 U20.R20 U20.R21 U20.R22 U20.T13 U20.T15 U20.T16 U20.T17 U20.T18 U20.T19 U20.T20 U20.U3 U20.U13 U20.V6 U20.V16 U20.W9 U20.W19 U20.Y2 U20.Y12 U20.Y22 U21.1
GNDA: C35.1 C42.2 C45.1 C52.1 C54.1 C56.1 C58.1 C60.2 C62.2 GT1.2 J5.1 MIC1.2 MIC1.3 U9.17 U9.21 U9.26 U9.33
/Audio/HPRCOM_C_N: C48.2 J5.3
/Audio/HPRCOM_C_P: C49.2 J5.2
/Audio/HPSWITCH: J5.4 R28.1 R31.2
/Audio/MICBIAS: C35.2 C42.1 MIC1.1 U9.15
/Audio/SIG_F: C38.1 U9.12
/Audio/SIGC_F: C38.2 MIC1.4
/Comm/NetLight: R84.1 U13.52
/Comm/sim_clk: C134.1 R32.1 U13.32
/Comm/sim_clk#: J1.C3 R32.2
/Comm/sim_data: C133.1 R30.1 U13.31
/Comm/sim_data#: J1.C7 R30.2
/Comm/sim_det: R43.1 U13.34
/Comm/sim_det#: J1.CD R43.2
/Comm/sim_rst: C135.1 R42.1 U13.33
/Comm/sim_rst#: J1.C2 R42.2
/Comm/Status: R44.1 U13.66
/Comm/VSIM: C16.1 J1.C1 U13.30
/DDR3/PGOOD_LED: D7.2 R102.1
/DDR3/VREF: C93.1 C94.2 C95.1 C96.2 C97.1 C98.1 C105.1 C106.1 R47.2 R48.1 U8.1 U15.H1 U15.M8 U16.H1 U16.M8 U20.H7 U20.P7
/DDR3/ZQH: R46.1 U15.L8
/DDR3/ZQL: R49.1 U16.L8
/LCD50/SLED0_D: D4.1 Q8.3
/LCD50/SLED0_G: Q8.1 R77.1
/LCD50/SLED0_R: D4.2 R78.2
/LCD50/SLED1_D: D5.1 Q9.3
/LCD50/SLED1_G: Q9.1 R79.1
/LCD50/SLED1_R: D5.2 R80.1
/LCD50/SLED2_D: D6.1 Q10.3
/LCD50/SLED2_G: Q10.1 R85.1
/LCD50/SLED2_R: D6.2 R86.1
